# KiCad board kikit_panel.kicad_pcb
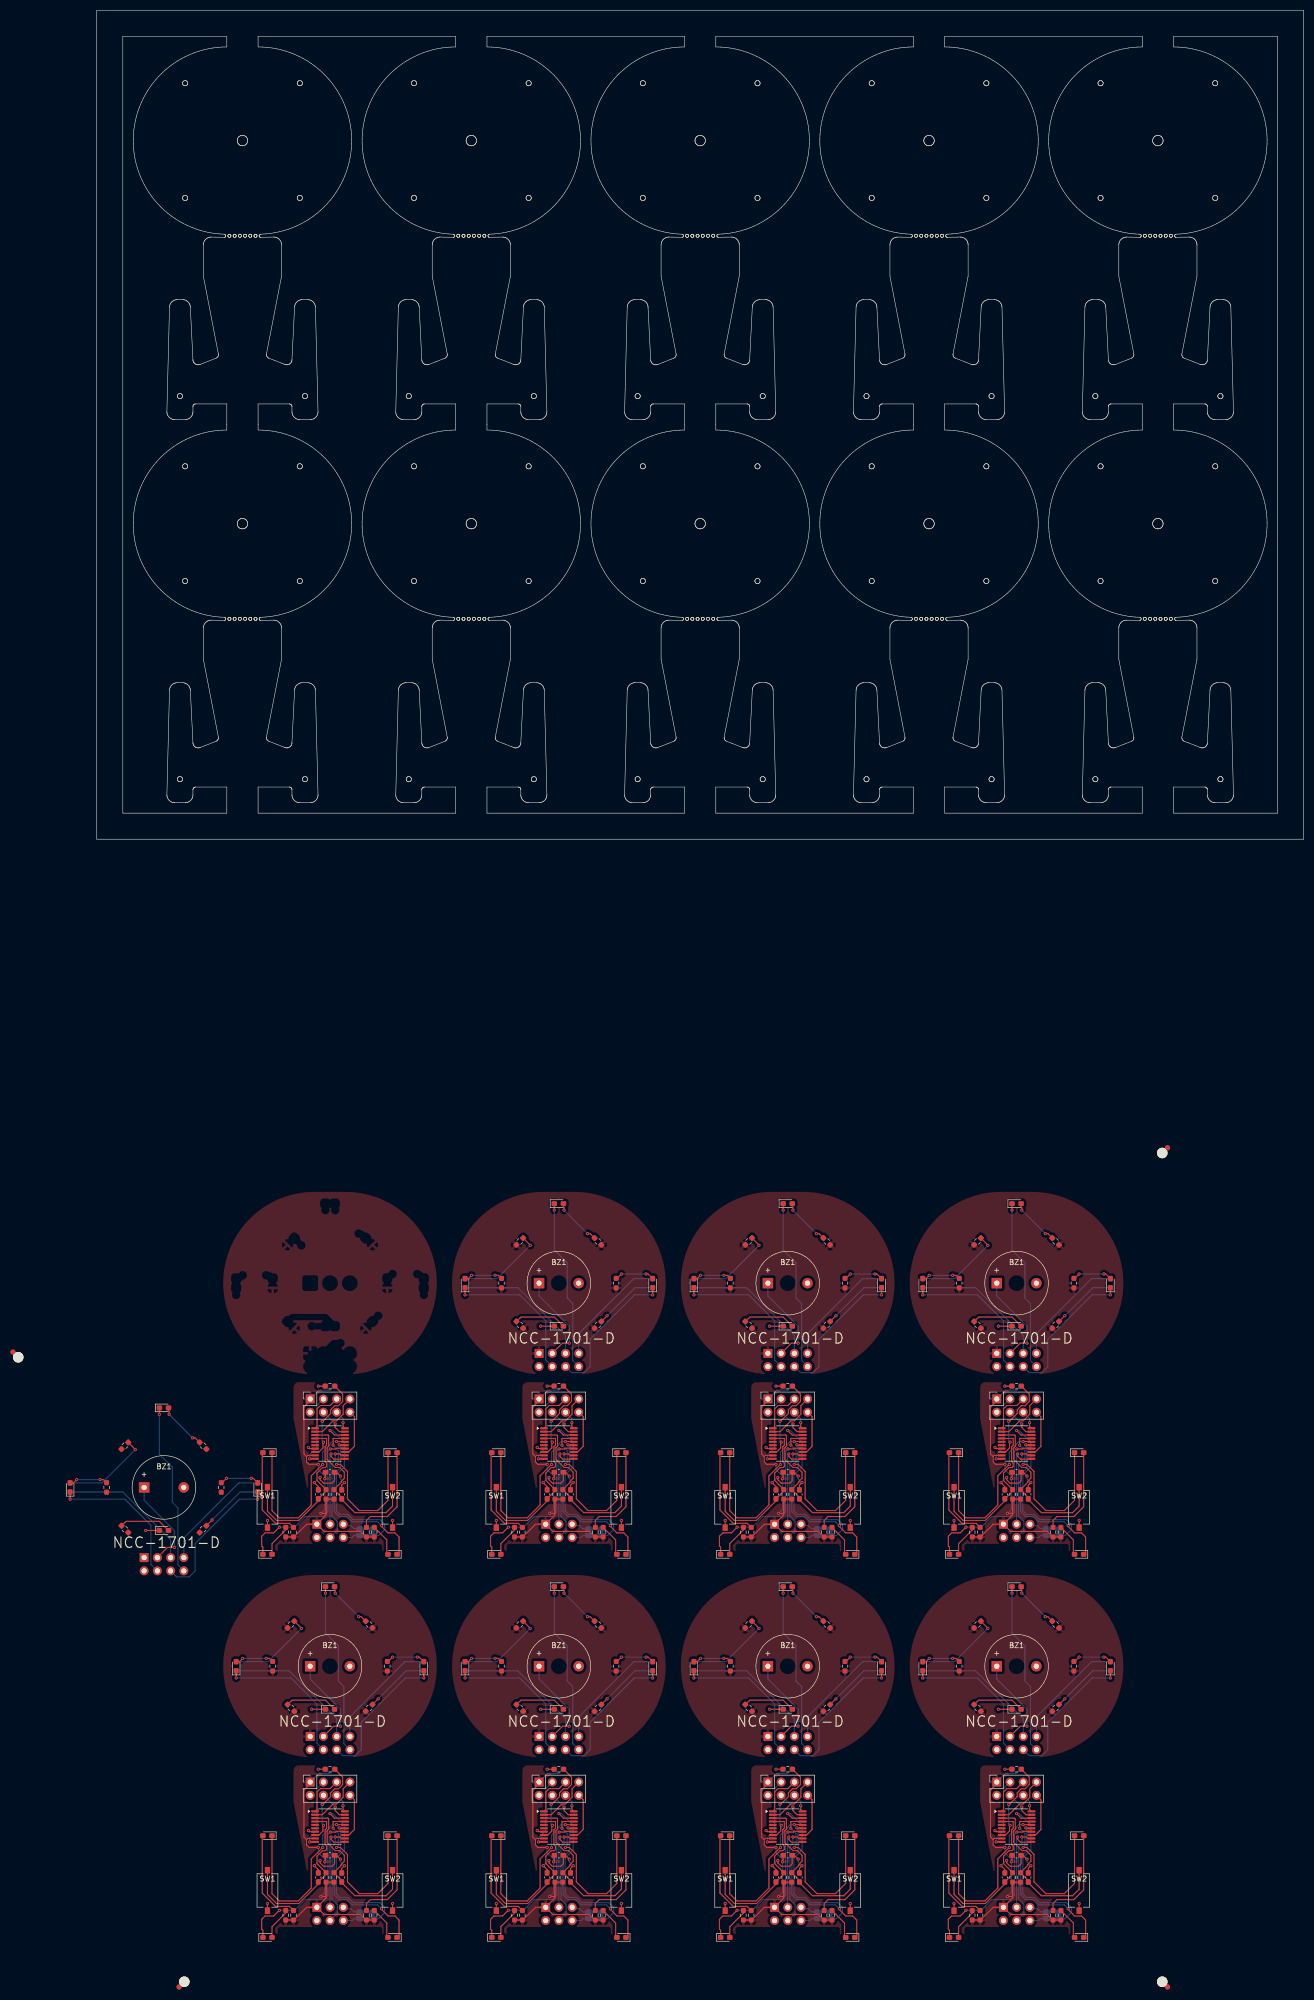
[diagram p0: board, top side]
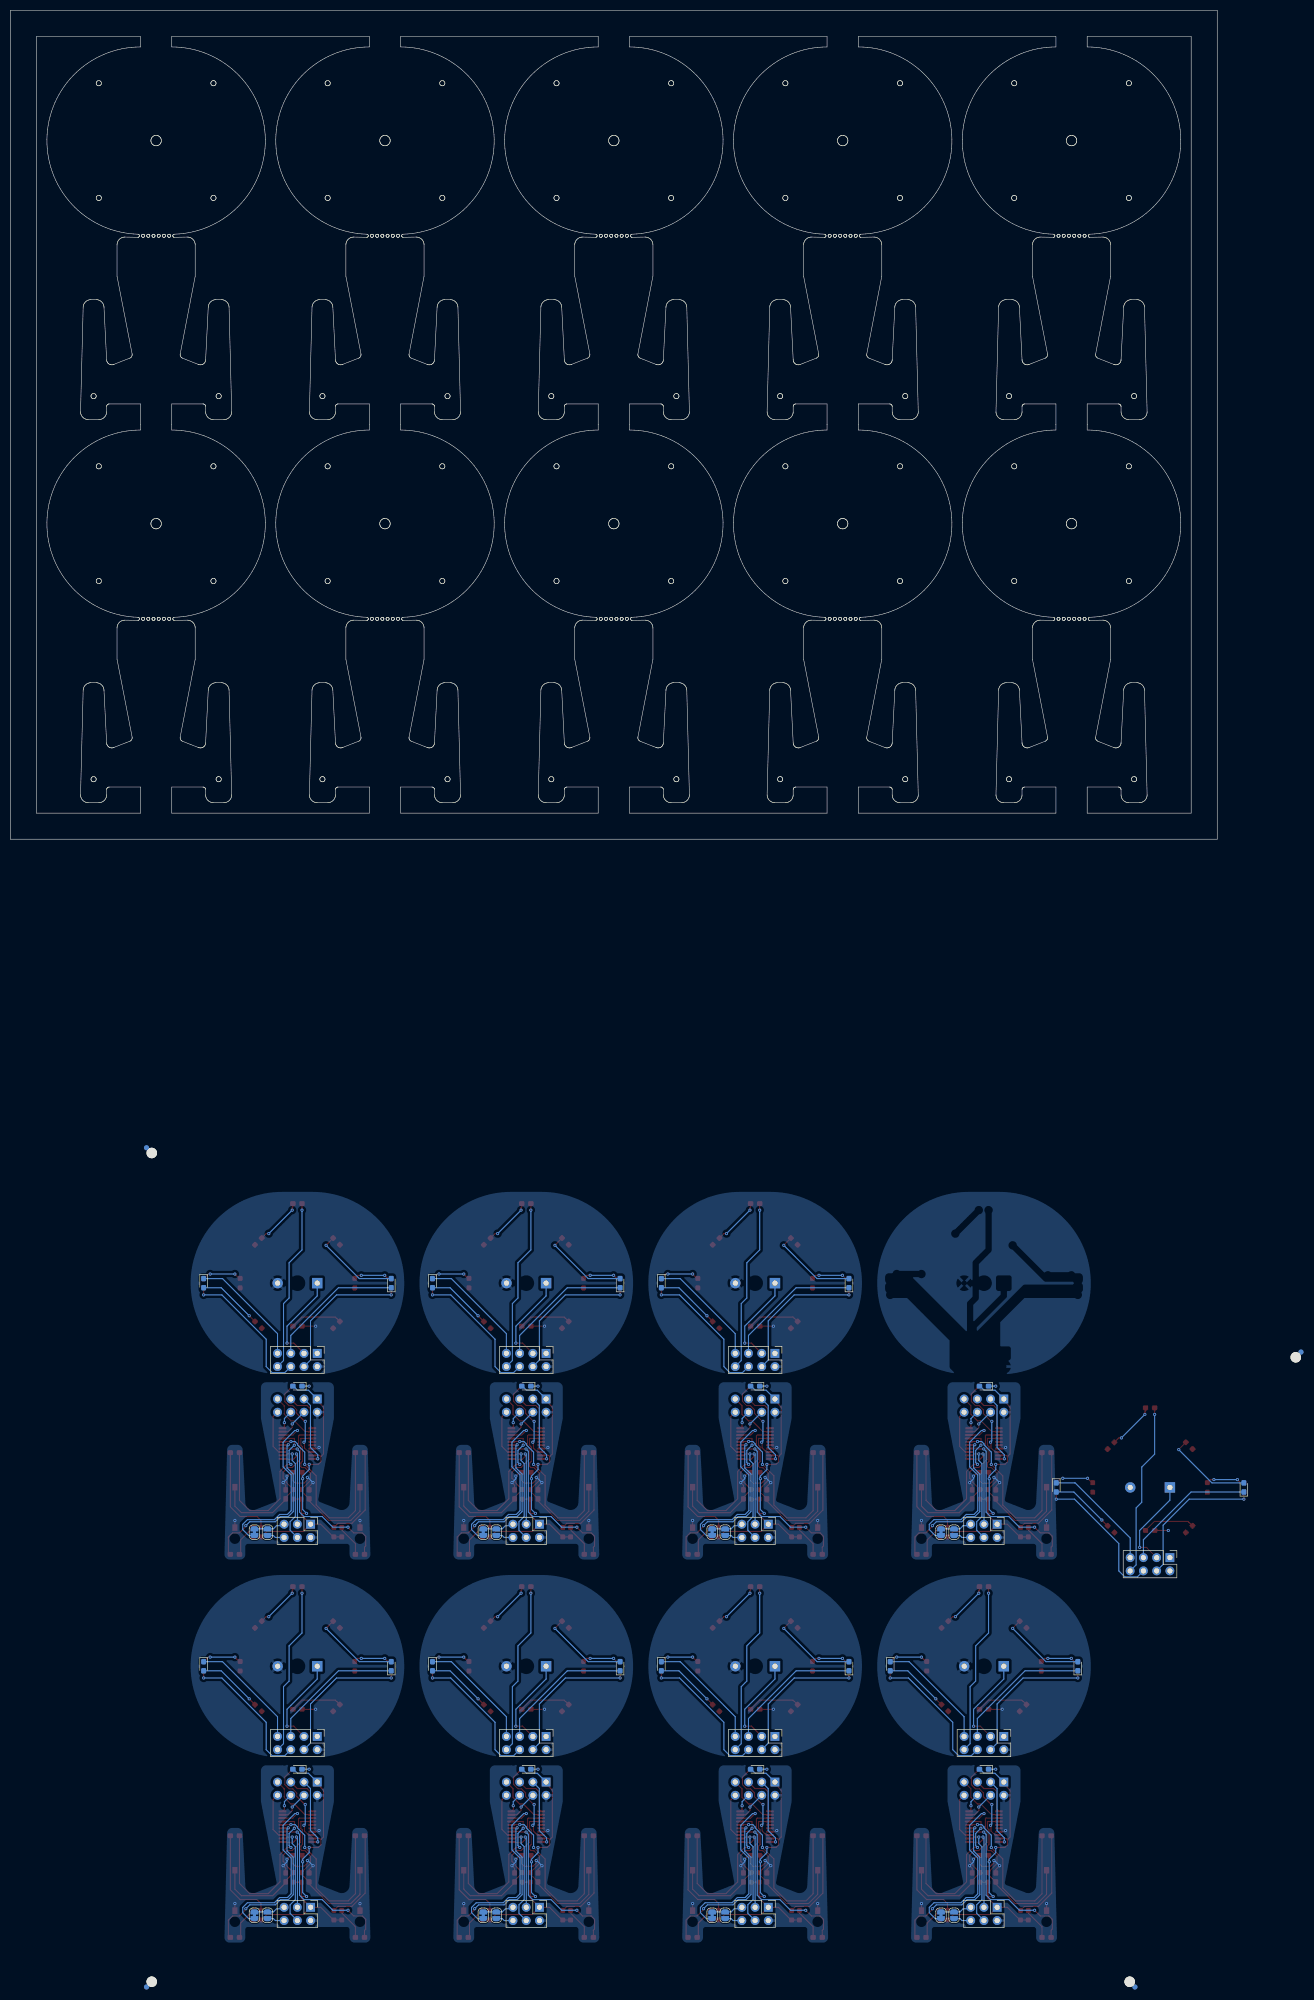
[diagram p1: board, bottom side, seen from below]

Outline 231.57 x 158.91 mm; copper layers: Top, Bottom. Coordinates in mm from the lower left corner of the outline.

## Placement (name value [footprint] x y rotation side)
BZ1  Buzzer  [Buzzer_12x9.5RM7.6]  84.87 -158.59 0 top
BZ1#2  Buzzer  [Buzzer_12x9.5RM7.6]  128.78 -158.59 0 top
BZ1#3  Buzzer  [Buzzer_12x9.5RM7.6]  84.87 -85.13 0 top
BZ1#4  Buzzer  [Buzzer_12x9.5RM7.6]  172.69 -158.59 0 top
BZ1#5  Buzzer  [Buzzer_12x9.5RM7.6]  40.95 -158.59 0 top
BZ1#6  Buzzer  [Buzzer_12x9.5RM7.6]  172.69 -85.13 0 top
BZ1#7  Buzzer  [Buzzer_12x9.5RM7.6]  128.78 -85.13 0 top
BZ1#8  Buzzer  [Buzzer_12x9.5RM7.6]  9.09 -124.3 0 top
C1  1nF  [C_0603_1608Metric_Pad1.08x0.95mm_HandSolder]  174.24 -125.63 90 top
C1#2  1nF  [C_0603_1608Metric_Pad1.08x0.95mm_HandSolder]  42.5 -199.09 90 top
C1#3  1nF  [C_0603_1608Metric_Pad1.08x0.95mm_HandSolder]  42.5 -125.63 90 top
C1#4  1nF  [C_0603_1608Metric_Pad1.08x0.95mm_HandSolder]  130.33 -125.63 90 top
C1#5  1nF  [C_0603_1608Metric_Pad1.08x0.95mm_HandSolder]  130.33 -199.09 90 top
C1#6  1nF  [C_0603_1608Metric_Pad1.08x0.95mm_HandSolder]  86.42 -199.09 90 top
C1#7  1nF  [C_0603_1608Metric_Pad1.08x0.95mm_HandSolder]  86.42 -125.63 90 top
C1#8  1nF  [C_0603_1608Metric_Pad1.08x0.95mm_HandSolder]  174.24 -199.09 90 top
C2  1nF  [C_0603_1608Metric_Pad1.08x0.95mm_HandSolder]  90.92 -125.63 90 top
C2#2  1nF  [C_0603_1608Metric_Pad1.08x0.95mm_HandSolder]  47 -199.09 90 top
C2#3  1nF  [C_0603_1608Metric_Pad1.08x0.95mm_HandSolder]  47 -125.63 90 top
C2#4  1nF  [C_0603_1608Metric_Pad1.08x0.95mm_HandSolder]  178.74 -125.63 90 top
C2#5  1nF  [C_0603_1608Metric_Pad1.08x0.95mm_HandSolder]  134.83 -125.63 90 top
C2#6  1nF  [C_0603_1608Metric_Pad1.08x0.95mm_HandSolder]  134.83 -199.09 90 top
C2#7  1nF  [C_0603_1608Metric_Pad1.08x0.95mm_HandSolder]  90.92 -199.09 90 top
C2#8  1nF  [C_0603_1608Metric_Pad1.08x0.95mm_HandSolder]  178.74 -199.09 90 top
C3  100nF  [C_0603_1608Metric_Pad1.08x0.95mm_HandSolder]  176.49 -194.84 0 top
C3#2  100nF  [C_0603_1608Metric_Pad1.08x0.95mm_HandSolder]  88.67 -121.38 0 top
C3#3  100nF  [C_0603_1608Metric_Pad1.08x0.95mm_HandSolder]  176.49 -121.38 0 top
C3#4  100nF  [C_0603_1608Metric_Pad1.08x0.95mm_HandSolder]  132.58 -194.84 0 top
C3#5  100nF  [C_0603_1608Metric_Pad1.08x0.95mm_HandSolder]  44.75 -121.38 0 top
C3#6  100nF  [C_0603_1608Metric_Pad1.08x0.95mm_HandSolder]  132.58 -121.38 0 top
C3#7  100nF  [C_0603_1608Metric_Pad1.08x0.95mm_HandSolder]  44.75 -194.84 0 top
C3#8  100nF  [C_0603_1608Metric_Pad1.08x0.95mm_HandSolder]  88.67 -194.84 0 top
D1  blue front powerled  [LED_0603_1608Metric_Pad1.05x0.95mm_HandSolder]  12.89 -132.55 0 top
D1#2  blue front powerled  [LED_0603_1608Metric_Pad1.05x0.95mm_HandSolder]  176.49 -166.84 0 top
D1#3  blue front powerled  [LED_0603_1608Metric_Pad1.05x0.95mm_HandSolder]  44.75 -166.84 0 top
D1#4  blue front powerled  [LED_0603_1608Metric_Pad1.05x0.95mm_HandSolder]  88.67 -166.84 0 top
D1#5  blue front powerled  [LED_0603_1608Metric_Pad1.05x0.95mm_HandSolder]  176.49 -93.38 0 top
D1#6  blue front powerled  [LED_0603_1608Metric_Pad1.05x0.95mm_HandSolder]  132.58 -166.84 0 top
D1#7  blue front powerled  [LED_0603_1608Metric_Pad1.05x0.95mm_HandSolder]  88.67 -93.38 0 top
D1#8  blue front powerled  [LED_0603_1608Metric_Pad1.05x0.95mm_HandSolder]  132.58 -93.38 0 top
D2  lower front LED  [LED_0603_1608Metric_Pad1.05x0.95mm_HandSolder]  132.58 -178.34 0 bottom
D2#2  lower front LED  [LED_0603_1608Metric_Pad1.05x0.95mm_HandSolder]  88.67 -104.88 0 bottom
D2#3  lower front LED  [LED_0603_1608Metric_Pad1.05x0.95mm_HandSolder]  132.58 -104.88 0 bottom
D2#4  lower front LED  [LED_0603_1608Metric_Pad1.05x0.95mm_HandSolder]  176.49 -104.88 0 bottom
D2#5  lower front LED  [LED_0603_1608Metric_Pad1.05x0.95mm_HandSolder]  176.49 -178.34 0 bottom
D2#6  lower front LED  [LED_0603_1608Metric_Pad1.05x0.95mm_HandSolder]  88.67 -178.34 0 bottom
D2#7  lower front LED  [LED_0603_1608Metric_Pad1.05x0.95mm_HandSolder]  44.75 -178.34 0 bottom
D2#8  lower front LED  [LED_0603_1608Metric_Pad1.05x0.95mm_HandSolder]  44.75 -104.88 0 bottom
D3  LED blue right  [LED_0603_1608Metric_Pad1.05x0.95mm_HandSolder]  100.67 -210.59 180 top
D3#2  LED blue right  [LED_0603_1608Metric_Pad1.05x0.95mm_HandSolder]  144.58 -137.13 180 top
D3#3  LED blue right  [LED_0603_1608Metric_Pad1.05x0.95mm_HandSolder]  56.75 -137.13 180 top
D3#4  LED blue right  [LED_0603_1608Metric_Pad1.05x0.95mm_HandSolder]  144.58 -210.59 180 top
D3#5  LED blue right  [LED_0603_1608Metric_Pad1.05x0.95mm_HandSolder]  56.75 -210.59 180 top
D3#6  LED blue right  [LED_0603_1608Metric_Pad1.05x0.95mm_HandSolder]  188.49 -210.59 180 top
D3#7  LED blue right  [LED_0603_1608Metric_Pad1.05x0.95mm_HandSolder]  100.67 -137.13 180 top
D3#8  LED blue right  [LED_0603_1608Metric_Pad1.05x0.95mm_HandSolder]  188.49 -137.13 180 top
D4  LED blue left  [LED_0603_1608Metric_Pad1.05x0.95mm_HandSolder]  120.58 -210.59 0 top
D4#2  LED blue left  [LED_0603_1608Metric_Pad1.05x0.95mm_HandSolder]  164.49 -137.13 0 top
D4#3  LED blue left  [LED_0603_1608Metric_Pad1.05x0.95mm_HandSolder]  76.67 -210.59 0 top
D4#4  LED blue left  [LED_0603_1608Metric_Pad1.05x0.95mm_HandSolder]  32.75 -210.59 0 top
D4#5  LED blue left  [LED_0603_1608Metric_Pad1.05x0.95mm_HandSolder]  76.67 -137.13 0 top
D4#6  LED blue left  [LED_0603_1608Metric_Pad1.05x0.95mm_HandSolder]  32.75 -137.13 0 top
D4#7  LED blue left  [LED_0603_1608Metric_Pad1.05x0.95mm_HandSolder]  120.58 -137.13 0 top
D4#8  LED blue left  [LED_0603_1608Metric_Pad1.05x0.95mm_HandSolder]  164.49 -210.59 0 top
D5  LED blue front  [LED_0603_1608Metric_Pad1.05x0.95mm_HandSolder]  12.89 -109.05 0 top
D5#2  LED blue front  [LED_0603_1608Metric_Pad1.05x0.95mm_HandSolder]  88.67 -69.88 0 top
D5#3  LED blue front  [LED_0603_1608Metric_Pad1.05x0.95mm_HandSolder]  44.75 -143.34 0 top
D5#4  LED blue front  [LED_0603_1608Metric_Pad1.05x0.95mm_HandSolder]  132.58 -69.88 0 top
D5#5  LED blue front  [LED_0603_1608Metric_Pad1.05x0.95mm_HandSolder]  88.67 -143.34 0 top
D5#6  LED blue front  [LED_0603_1608Metric_Pad1.05x0.95mm_HandSolder]  176.49 -69.88 0 top
D5#7  LED blue front  [LED_0603_1608Metric_Pad1.05x0.95mm_HandSolder]  132.58 -143.34 0 top
D5#8  LED blue front  [LED_0603_1608Metric_Pad1.05x0.95mm_HandSolder]  176.49 -143.34 0 top
D6  LED red left  [LED_0603_1608Metric_Pad1.05x0.95mm_HandSolder]  164.49 -191.09 180 top
D6#2  LED red left  [LED_0603_1608Metric_Pad1.05x0.95mm_HandSolder]  164.49 -117.63 180 top
D6#3  LED red left  [LED_0603_1608Metric_Pad1.05x0.95mm_HandSolder]  120.58 -117.63 180 top
D6#4  LED red left  [LED_0603_1608Metric_Pad1.05x0.95mm_HandSolder]  120.58 -191.09 180 top
D6#5  LED red left  [LED_0603_1608Metric_Pad1.05x0.95mm_HandSolder]  76.67 -117.63 180 top
D6#6  LED red left  [LED_0603_1608Metric_Pad1.05x0.95mm_HandSolder]  76.67 -191.09 180 top
D6#7  LED red left  [LED_0603_1608Metric_Pad1.05x0.95mm_HandSolder]  32.75 -191.09 180 top
D6#8  LED red left  [LED_0603_1608Metric_Pad1.05x0.95mm_HandSolder]  32.75 -117.63 180 top
D7  LED red right  [LED_0603_1608Metric_Pad1.05x0.95mm_HandSolder]  100.67 -117.63 0 top
D7#2  LED red right  [LED_0603_1608Metric_Pad1.05x0.95mm_HandSolder]  56.75 -191.09 0 top
D7#3  LED red right  [LED_0603_1608Metric_Pad1.05x0.95mm_HandSolder]  188.49 -191.09 0 top
D7#4  LED red right  [LED_0603_1608Metric_Pad1.05x0.95mm_HandSolder]  56.75 -117.63 0 top
D7#5  LED red right  [LED_0603_1608Metric_Pad1.05x0.95mm_HandSolder]  188.49 -117.63 0 top
D7#6  LED red right  [LED_0603_1608Metric_Pad1.05x0.95mm_HandSolder]  144.58 -117.63 0 top
D7#7  LED red right  [LED_0603_1608Metric_Pad1.05x0.95mm_HandSolder]  144.58 -191.09 0 top
D7#8  LED red right  [LED_0603_1608Metric_Pad1.05x0.95mm_HandSolder]  100.67 -191.09 0 top
D8  LED dish top left  [LED_0603_1608Metric_Pad1.05x0.95mm_HandSolder]  158.49 -158.59 90 top
D8#2  LED dish top left  [LED_0603_1608Metric_Pad1.05x0.95mm_HandSolder]  114.58 -85.13 90 top
D8#3  LED dish top left  [LED_0603_1608Metric_Pad1.05x0.95mm_HandSolder]  114.58 -158.59 90 top
D8#4  LED dish top left  [LED_0603_1608Metric_Pad1.05x0.95mm_HandSolder]  -5.11 -124.3 90 top
D8#5  LED dish top left  [LED_0603_1608Metric_Pad1.05x0.95mm_HandSolder]  70.67 -85.13 90 top
D8#6  LED dish top left  [LED_0603_1608Metric_Pad1.05x0.95mm_HandSolder]  26.75 -158.59 90 top
D8#7  LED dish top left  [LED_0603_1608Metric_Pad1.05x0.95mm_HandSolder]  158.49 -85.13 90 top
D8#8  LED dish top left  [LED_0603_1608Metric_Pad1.05x0.95mm_HandSolder]  70.67 -158.59 90 top
D9  LED dish top right  [LED_0603_1608Metric_Pad1.05x0.95mm_HandSolder]  106.67 -85.13 90 top
D9#2  LED dish top right  [LED_0603_1608Metric_Pad1.05x0.95mm_HandSolder]  150.58 -158.59 90 top
D9#3  LED dish top right  [LED_0603_1608Metric_Pad1.05x0.95mm_HandSolder]  194.49 -85.13 90 top
D9#4  LED dish top right  [LED_0603_1608Metric_Pad1.05x0.95mm_HandSolder]  106.67 -158.59 90 top
D9#5  LED dish top right  [LED_0603_1608Metric_Pad1.05x0.95mm_HandSolder]  194.49 -158.59 90 top
D9#6  LED dish top right  [LED_0603_1608Metric_Pad1.05x0.95mm_HandSolder]  150.58 -85.13 90 top
D9#7  LED dish top right  [LED_0603_1608Metric_Pad1.05x0.95mm_HandSolder]  30.89 -124.3 90 top
D9#8  LED dish top right  [LED_0603_1608Metric_Pad1.05x0.95mm_HandSolder]  62.75 -158.59 90 top
D10  LED dish bottom left  [LED_0603_1608Metric_Pad1.05x0.95mm_HandSolder]  114.58 -85.13 90 bottom
D10#2  LED dish bottom left  [LED_0603_1608Metric_Pad1.05x0.95mm_HandSolder]  158.49 -85.13 90 bottom
D10#3  LED dish bottom left  [LED_0603_1608Metric_Pad1.05x0.95mm_HandSolder]  -5.11 -124.3 90 bottom
D10#4  LED dish bottom left  [LED_0603_1608Metric_Pad1.05x0.95mm_HandSolder]  70.67 -158.59 90 bottom
D10#5  LED dish bottom left  [LED_0603_1608Metric_Pad1.05x0.95mm_HandSolder]  70.67 -85.13 90 bottom
D10#6  LED dish bottom left  [LED_0603_1608Metric_Pad1.05x0.95mm_HandSolder]  114.58 -158.59 90 bottom
D10#7  LED dish bottom left  [LED_0603_1608Metric_Pad1.05x0.95mm_HandSolder]  158.49 -158.59 90 bottom
D10#8  LED dish bottom left  [LED_0603_1608Metric_Pad1.05x0.95mm_HandSolder]  26.75 -158.59 90 bottom
D11  LED dish bottom right  [LED_0603_1608Metric_Pad1.05x0.95mm_HandSolder]  194.49 -85.13 270 bottom
D11#2  LED dish bottom right  [LED_0603_1608Metric_Pad1.05x0.95mm_HandSolder]  194.49 -158.59 270 bottom
D11#3  LED dish bottom right  [LED_0603_1608Metric_Pad1.05x0.95mm_HandSolder]  150.58 -85.13 270 bottom
D11#4  LED dish bottom right  [LED_0603_1608Metric_Pad1.05x0.95mm_HandSolder]  106.67 -158.59 270 bottom
D11#5  LED dish bottom right  [LED_0603_1608Metric_Pad1.05x0.95mm_HandSolder]  30.89 -124.3 270 bottom
D11#6  LED dish bottom right  [LED_0603_1608Metric_Pad1.05x0.95mm_HandSolder]  106.67 -85.13 270 bottom
D11#7  LED dish bottom right  [LED_0603_1608Metric_Pad1.05x0.95mm_HandSolder]  62.75 -158.59 270 bottom
D11#8  LED dish bottom right  [LED_0603_1608Metric_Pad1.05x0.95mm_HandSolder]  150.58 -158.59 270 bottom
J1  Conn_02x04_Odd_Even  [PinHeader_2x04_P2.54mm_Vertical]  128.78 -98.59 270 bottom
J1#2  Conn_02x04_Odd_Even  [PinHeader_2x04_P2.54mm_Vertical]  9.09 -137.76 270 bottom
J1#3  Conn_02x04_Odd_Even  [PinHeader_2x04_P2.54mm_Vertical]  84.87 -172.05 270 bottom
J1#4  Conn_02x04_Odd_Even  [PinHeader_2x04_P2.54mm_Vertical]  172.69 -172.05 270 bottom
J1#5  Conn_02x04_Odd_Even  [PinHeader_2x04_P2.54mm_Vertical]  40.95 -172.05 270 bottom
J1#6  Conn_02x04_Odd_Even  [PinHeader_2x04_P2.54mm_Vertical]  128.78 -172.05 270 bottom
J1#7  Conn_02x04_Odd_Even  [PinHeader_2x04_P2.54mm_Vertical]  84.87 -98.59 270 bottom
J1#8  Conn_02x04_Odd_Even  [PinHeader_2x04_P2.54mm_Vertical]  172.69 -98.59 270 bottom
J3  GPIO  [SolderJumper-2_P1.3mm_Open_RoundedPad1.0x1.5mm]  138.33 -206.34 90 bottom
J3#2  GPIO  [SolderJumper-2_P1.3mm_Open_RoundedPad1.0x1.5mm]  94.42 -132.88 90 bottom
J3#3  GPIO  [SolderJumper-2_P1.3mm_Open_RoundedPad1.0x1.5mm]  94.42 -206.34 90 bottom
J3#4  GPIO  [SolderJumper-2_P1.3mm_Open_RoundedPad1.0x1.5mm]  182.24 -206.34 90 bottom
J3#5  GPIO  [SolderJumper-2_P1.3mm_Open_RoundedPad1.0x1.5mm]  182.24 -132.88 90 bottom
J3#6  GPIO  [SolderJumper-2_P1.3mm_Open_RoundedPad1.0x1.5mm]  50.5 -206.34 90 bottom
J3#7  GPIO  [SolderJumper-2_P1.3mm_Open_RoundedPad1.0x1.5mm]  50.5 -132.88 90 bottom
J3#8  GPIO  [SolderJumper-2_P1.3mm_Open_RoundedPad1.0x1.5mm]  138.33 -132.88 90 bottom
J4  saucer connetion  [PinSocket_2x04_P2.54mm_Vertical]  40.95 -107.34 90 top
J4#2  saucer connetion  [PinSocket_2x04_P2.54mm_Vertical]  84.87 -107.34 90 top
J4#3  saucer connetion  [PinSocket_2x04_P2.54mm_Vertical]  128.78 -180.8 90 top
J4#4  saucer connetion  [PinSocket_2x04_P2.54mm_Vertical]  172.69 -180.8 90 top
J4#5  saucer connetion  [PinSocket_2x04_P2.54mm_Vertical]  128.78 -107.34 90 top
J4#6  saucer connetion  [PinSocket_2x04_P2.54mm_Vertical]  172.69 -107.34 90 top
J4#7  saucer connetion  [PinSocket_2x04_P2.54mm_Vertical]  40.95 -180.8 90 top
J4#8  saucer connetion  [PinSocket_2x04_P2.54mm_Vertical]  84.87 -180.8 90 top
J5  SAO Connector  [PinHeader_2x03_P2.54mm_Vertical]  130.06 -204.81 270 bottom
J5#2  SAO Connector  [PinHeader_2x03_P2.54mm_Vertical]  42.23 -131.36 270 bottom
J5#3  SAO Connector  [PinHeader_2x03_P2.54mm_Vertical]  130.06 -131.36 270 bottom
J5#4  SAO Connector  [PinHeader_2x03_P2.54mm_Vertical]  42.23 -204.81 270 bottom
J5#5  SAO Connector  [PinHeader_2x03_P2.54mm_Vertical]  173.97 -204.81 270 bottom
J5#6  SAO Connector  [PinHeader_2x03_P2.54mm_Vertical]  86.14 -131.36 270 bottom
J5#7  SAO Connector  [PinHeader_2x03_P2.54mm_Vertical]  173.97 -131.36 270 bottom
J5#8  SAO Connector  [PinHeader_2x03_P2.54mm_Vertical]  86.14 -204.81 270 bottom
JP1  Jumper_2_Bridged  [SolderJumper-2_P1.3mm_Bridged_RoundedPad1.0x1.5mm]  53 -132.88 270 bottom
JP1#2  Jumper_2_Bridged  [SolderJumper-2_P1.3mm_Bridged_RoundedPad1.0x1.5mm]  140.83 -206.34 270 bottom
JP1#3  Jumper_2_Bridged  [SolderJumper-2_P1.3mm_Bridged_RoundedPad1.0x1.5mm]  96.92 -132.88 270 bottom
JP1#4  Jumper_2_Bridged  [SolderJumper-2_P1.3mm_Bridged_RoundedPad1.0x1.5mm]  140.83 -132.88 270 bottom
JP1#5  Jumper_2_Bridged  [SolderJumper-2_P1.3mm_Bridged_RoundedPad1.0x1.5mm]  184.74 -206.34 270 bottom
JP1#6  Jumper_2_Bridged  [SolderJumper-2_P1.3mm_Bridged_RoundedPad1.0x1.5mm]  96.92 -206.34 270 bottom
JP1#7  Jumper_2_Bridged  [SolderJumper-2_P1.3mm_Bridged_RoundedPad1.0x1.5mm]  184.74 -132.88 270 bottom
JP1#8  Jumper_2_Bridged  [SolderJumper-2_P1.3mm_Bridged_RoundedPad1.0x1.5mm]  53 -206.34 270 bottom
KiKit_FID_B_1  -  [Fiducial]  -16.07 -98.35 0 bottom
KiKit_FID_B_2  -  [Fiducial]  205.45 -59.17 0 bottom
KiKit_FID_B_3  -  [Fiducial]  15.8 -220.09 0 bottom
KiKit_FID_B_4  -  [Fiducial]  205.45 -220.09 0 bottom
KiKit_FID_T_1  -  [Fiducial]  -16.07 -98.35 0 top
KiKit_FID_T_2  -  [Fiducial]  205.45 -59.17 0 top
KiKit_FID_T_3  -  [Fiducial]  15.8 -220.09 0 top
KiKit_FID_T_4  -  [Fiducial]  205.45 -220.09 0 top
KiKit_TO_1  -  [NPTH]  -15.07 -99.35 0 top
KiKit_TO_2  -  [NPTH]  204.45 -60.17 0 top
KiKit_TO_3  -  [NPTH]  16.8 -219.09 0 top
KiKit_TO_4  -  [NPTH]  204.45 -219.09 0 top
R1  330  [R_0603_1608Metric_Pad0.98x0.95mm_HandSolder]  81.17 -93.13 135 top
R1#2  330  [R_0603_1608Metric_Pad0.98x0.95mm_HandSolder]  168.99 -166.59 135 top
R1#3  330  [R_0603_1608Metric_Pad0.98x0.95mm_HandSolder]  125.08 -166.59 135 top
R1#4  330  [R_0603_1608Metric_Pad0.98x0.95mm_HandSolder]  81.17 -166.59 135 top
R1#5  330  [R_0603_1608Metric_Pad0.98x0.95mm_HandSolder]  125.08 -93.13 135 top
R1#6  330  [R_0603_1608Metric_Pad0.98x0.95mm_HandSolder]  37.25 -166.59 135 top
R1#7  330  [R_0603_1608Metric_Pad0.98x0.95mm_HandSolder]  5.39 -132.3 135 top
R1#8  330  [R_0603_1608Metric_Pad0.98x0.95mm_HandSolder]  168.99 -93.13 135 top
R2  330  [R_0603_1608Metric_Pad0.98x0.95mm_HandSolder]  44.75 -178.34 0 top
R2#2  330  [R_0603_1608Metric_Pad0.98x0.95mm_HandSolder]  132.58 -178.34 0 top
R2#3  330  [R_0603_1608Metric_Pad0.98x0.95mm_HandSolder]  88.67 -104.88 0 top
R2#4  330  [R_0603_1608Metric_Pad0.98x0.95mm_HandSolder]  44.75 -104.88 0 top
R2#5  330  [R_0603_1608Metric_Pad0.98x0.95mm_HandSolder]  176.49 -104.88 0 top
R2#6  330  [R_0603_1608Metric_Pad0.98x0.95mm_HandSolder]  88.67 -178.34 0 top
R2#7  330  [R_0603_1608Metric_Pad0.98x0.95mm_HandSolder]  176.49 -178.34 0 top
R2#8  330  [R_0603_1608Metric_Pad0.98x0.95mm_HandSolder]  132.58 -104.88 0 top
R3  330  [R_0603_1608Metric_Pad0.98x0.95mm_HandSolder]  141.08 -132.88 90 top
R3#2  330  [R_0603_1608Metric_Pad0.98x0.95mm_HandSolder]  53.25 -206.34 90 top
R3#3  330  [R_0603_1608Metric_Pad0.98x0.95mm_HandSolder]  53.25 -132.88 90 top
R3#4  330  [R_0603_1608Metric_Pad0.98x0.95mm_HandSolder]  97.17 -206.34 90 top
R3#5  330  [R_0603_1608Metric_Pad0.98x0.95mm_HandSolder]  184.99 -132.88 90 top
R3#6  330  [R_0603_1608Metric_Pad0.98x0.95mm_HandSolder]  141.08 -206.34 90 top
R3#7  330  [R_0603_1608Metric_Pad0.98x0.95mm_HandSolder]  97.17 -132.88 90 top
R3#8  330  [R_0603_1608Metric_Pad0.98x0.95mm_HandSolder]  184.99 -206.34 90 top
R4  330  [R_0603_1608Metric_Pad0.98x0.95mm_HandSolder]  80.17 -206.34 90 top
R4#2  330  [R_0603_1608Metric_Pad0.98x0.95mm_HandSolder]  124.08 -132.88 90 top
R4#3  330  [R_0603_1608Metric_Pad0.98x0.95mm_HandSolder]  36.25 -206.34 90 top
R4#4  330  [R_0603_1608Metric_Pad0.98x0.95mm_HandSolder]  167.99 -206.34 90 top
R4#5  330  [R_0603_1608Metric_Pad0.98x0.95mm_HandSolder]  80.17 -132.88 90 top
R4#6  330  [R_0603_1608Metric_Pad0.98x0.95mm_HandSolder]  36.25 -132.88 90 top
R4#7  330  [R_0603_1608Metric_Pad0.98x0.95mm_HandSolder]  167.99 -132.88 90 top
R4#8  330  [R_0603_1608Metric_Pad0.98x0.95mm_HandSolder]  124.08 -206.34 90 top
R5  330  [R_0603_1608Metric_Pad0.98x0.95mm_HandSolder]  52.25 -150.59 135 top
R5#2  330  [R_0603_1608Metric_Pad0.98x0.95mm_HandSolder]  140.08 -150.59 135 top
R5#3  330  [R_0603_1608Metric_Pad0.98x0.95mm_HandSolder]  96.17 -150.59 135 top
R5#4  330  [R_0603_1608Metric_Pad0.98x0.95mm_HandSolder]  20.39 -116.3 135 top
R5#5  330  [R_0603_1608Metric_Pad0.98x0.95mm_HandSolder]  140.08 -77.13 135 top
R5#6  330  [R_0603_1608Metric_Pad0.98x0.95mm_HandSolder]  183.99 -77.13 135 top
R5#7  330  [R_0603_1608Metric_Pad0.98x0.95mm_HandSolder]  96.17 -77.13 135 top
R5#8  330  [R_0603_1608Metric_Pad0.98x0.95mm_HandSolder]  183.99 -150.59 135 top
R6  330  [R_0603_1608Metric_Pad0.98x0.95mm_HandSolder]  125.58 -132.88 90 top
R6#2  330  [R_0603_1608Metric_Pad0.98x0.95mm_HandSolder]  37.75 -206.34 90 top
R6#3  330  [R_0603_1608Metric_Pad0.98x0.95mm_HandSolder]  125.58 -206.34 90 top
R6#4  330  [R_0603_1608Metric_Pad0.98x0.95mm_HandSolder]  169.49 -206.34 90 top
R6#5  330  [R_0603_1608Metric_Pad0.98x0.95mm_HandSolder]  169.49 -132.88 90 top
R6#6  330  [R_0603_1608Metric_Pad0.98x0.95mm_HandSolder]  81.67 -132.88 90 top
R6#7  330  [R_0603_1608Metric_Pad0.98x0.95mm_HandSolder]  81.67 -206.34 90 top
R6#8  330  [R_0603_1608Metric_Pad0.98x0.95mm_HandSolder]  37.75 -132.88 90 top
R7  330  [R_0603_1608Metric_Pad0.98x0.95mm_HandSolder]  183.49 -206.34 90 top
R7#2  330  [R_0603_1608Metric_Pad0.98x0.95mm_HandSolder]  183.49 -132.88 90 top
R7#3  330  [R_0603_1608Metric_Pad0.98x0.95mm_HandSolder]  51.75 -206.34 90 top
R7#4  330  [R_0603_1608Metric_Pad0.98x0.95mm_HandSolder]  95.67 -132.88 90 top
R7#5  330  [R_0603_1608Metric_Pad0.98x0.95mm_HandSolder]  51.75 -132.88 90 top
R7#6  330  [R_0603_1608Metric_Pad0.98x0.95mm_HandSolder]  95.67 -206.34 90 top
R7#7  330  [R_0603_1608Metric_Pad0.98x0.95mm_HandSolder]  139.58 -132.88 90 top
R7#8  330  [R_0603_1608Metric_Pad0.98x0.95mm_HandSolder]  139.58 -206.34 90 top
R8  10k  [R_0603_1608Metric_Pad0.98x0.95mm_HandSolder]  45.5 -199.09 90 top
R8#2  10k  [R_0603_1608Metric_Pad0.98x0.95mm_HandSolder]  133.33 -125.63 90 top
R8#3  10k  [R_0603_1608Metric_Pad0.98x0.95mm_HandSolder]  133.33 -199.09 90 top
R8#4  10k  [R_0603_1608Metric_Pad0.98x0.95mm_HandSolder]  89.42 -199.09 90 top
R8#5  10k  [R_0603_1608Metric_Pad0.98x0.95mm_HandSolder]  45.5 -125.63 90 top
R8#6  10k  [R_0603_1608Metric_Pad0.98x0.95mm_HandSolder]  89.42 -125.63 90 top
R8#7  10k  [R_0603_1608Metric_Pad0.98x0.95mm_HandSolder]  177.24 -199.09 90 top
R8#8  10k  [R_0603_1608Metric_Pad0.98x0.95mm_HandSolder]  177.24 -125.63 90 top